# Altium PCB Spektrop2_Processor_Board_V1.PcbDoc (part 2 of 4) (continued)
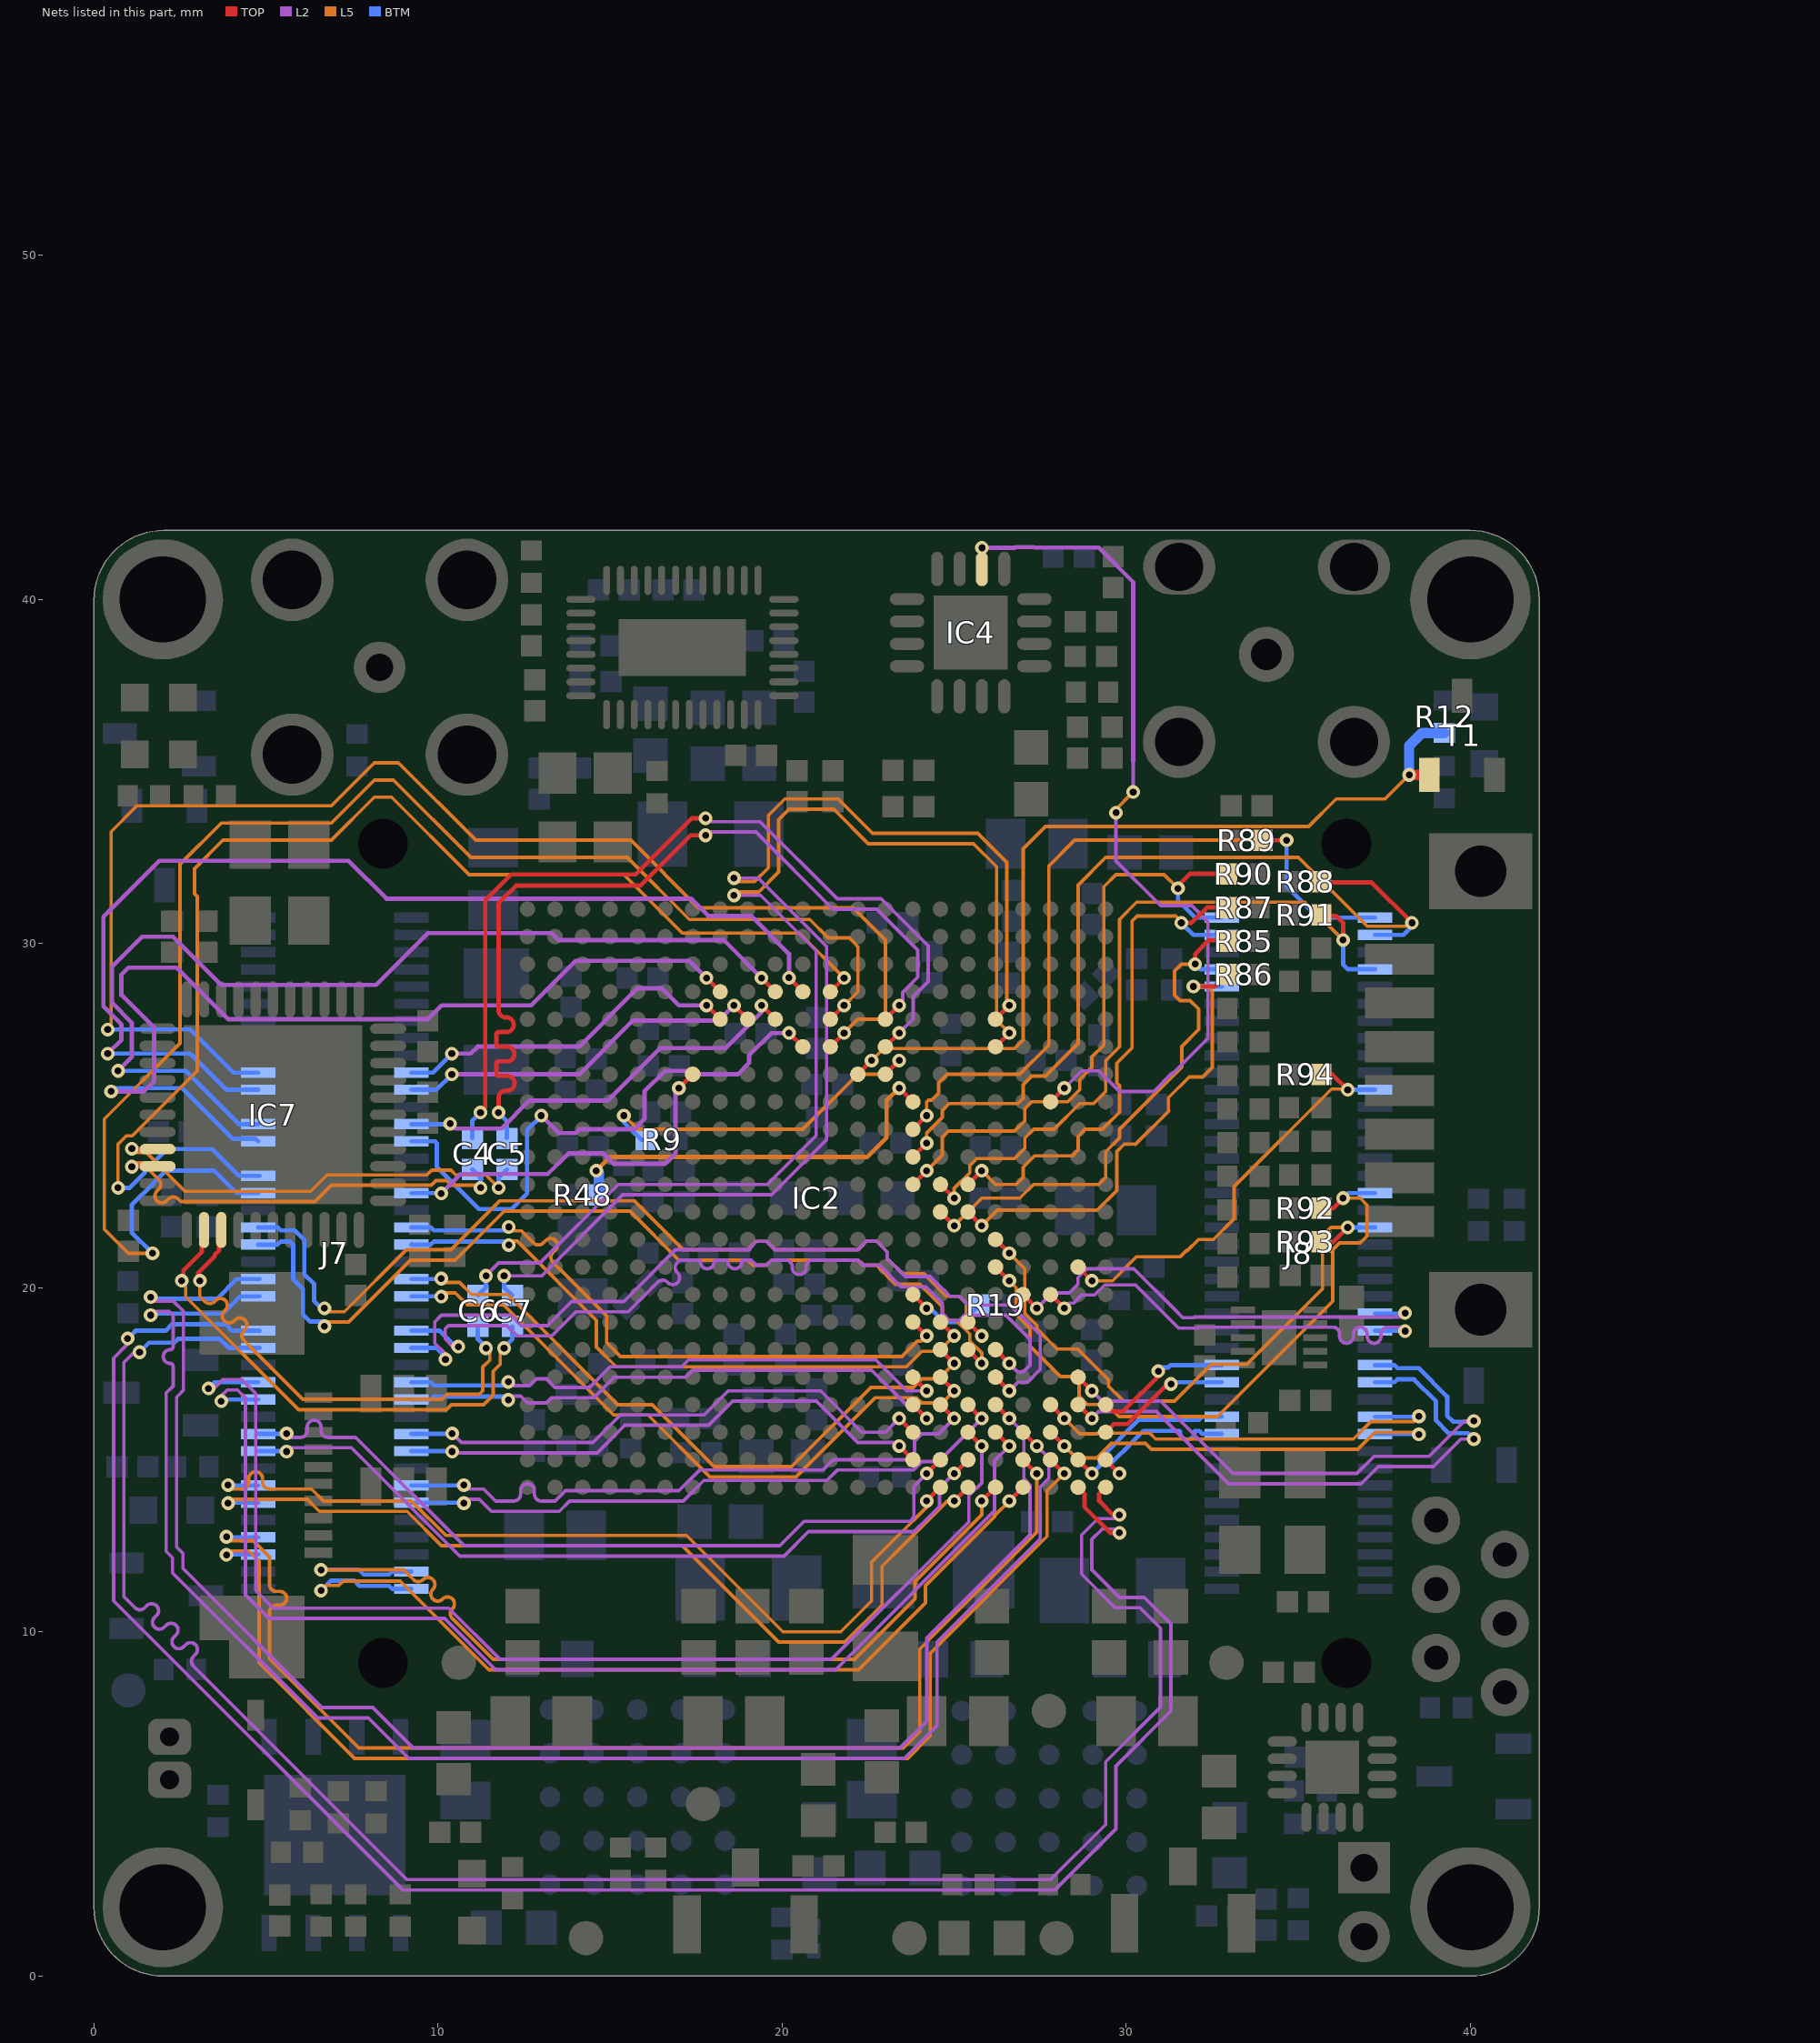
[diagram p8: the nets of this part, all layers, seen from the top]
## Part data (continued)
IC6: "12G UHD-SDI Re-timing Cable Driver", Case=QFN40, Manufacturer=SEMTECH, Author="CERN DEM JLC", Bonding=No, ComponentHeight=1mm, Component Type=Standard, CreateDate=21-Nov-17, Device=GS12281-INE3, HelpURL=\\cern.ch\dfs\Applications\Altium\Datasheets\GS12281-INE3.pdf, LatestRevisionDate=21-Nov-17, Manufacturer Part Number=GS12281-INE3, Mounted=Yes, PackageDescription="QFN, 0.40mm Pitch, Rect., Pin 1 on Short Dimension; 40 Pin, 4.00mm L X 6.00mm W X 1.00mm H Body (w/Thermal Tab 3.70 X 1.68 mm), IPC Medium Density", Part Description="12G UHD-SDI Re-timing Cable Driver", Part Number=GS12281-INE3, Pin Count=41, PressFit=No, Sense=No, SMD=Yes, Socket=No
IC9: "2-A Peak Sink / Source DDR Termination Regulator With VTTREF Buffered Reference for DDR2, DDR3 and DDR3L", Case=SON10, Manufacturer="TEXAS INSTRUMENTS", Author="CERN DEM JLC", Bonding=No, ComponentHeight=0.8mm, Component Type=Standard, CreateDate=22-Jan-15, Device=TPS51206DSQT, HelpURL=\\cern.ch\dfs\Applications\Altium\Datasheets\TPS51206DSQT.pdf, LatestRevisionDate=30-Mar-17, Manufacturer Part Number=TPS51206DSQT, Mounted=Yes, PackageDescription="SON, 0.40mm Pitch; 10 Pin, 2.00mm W X 2.00mm L X 0.80mm H Body, (w/thermal tab 1.00 X 1.60 mm), IPC Medium Density", Part Description="2A Peak Sink / Source DDR Termination Regulator With VTTREF Buffered Reference for DDR2, DDR3 and DDR3L", Part Number=TPS51206DSQT, Pin Count=11, PressFit=No, Sense=No, SMD=Yes, Socket=No, Status="Not Recommended"
J1: library part MOLEX_52030-0629, "Connector 6 Female", Manufacturer=MOLEX, Manufacturer Part Number=52030-0629, Author="CERN DEM JLC", ComponentHeight=6.7mm, Component Type=Standard, CreateDate=05-Nov-14, Family=FFC/FPC, HelpURL=\\cern.ch\dfs\Applications\Altium\Datasheets\MOLEX_52030-0629.pdf, LatestRevisionDate=05-Dec-14, Mounted=Yes, Part Description="6 Contacts, 1.0mm Pitch, Vertical Through-Hole FFC/FPC Connector", Part Number=MOLEX_52030-0629, Pin Count=6, PressFit=No, Sense=No, SMD=No, Socket=No, Status=None
J2: library part MOLEX_52745-1097, "Connector 10 Female", Manufacturer=MOLEX, Manufacturer Part Number=52745-1097, Author="CERN DEM JLC", ComponentHeight=2mm, Component Type=Standard, CreateDate=04-Nov-14, Family=FFC/FPC, HelpURL=\\cern.ch\dfs\Applications\Altium\Datasheets\MOLEX_52745-1097.pdf, LatestRevisionDate=05-Dec-14, Mounted=Yes, Part Description="10 Contacts, 0.5mm Pitch, Right Angled Surface Mount FFC/FPC Connector, ZIF, Top Contact Style", Part Number=MOLEX_52745-1097, Pin Count=10, PressFit=No, Sense=No, SMD=Yes, Socket=No, Status=None
J3: library part HARWIN_M22-2510205, "Connector 2 Male", Manufacturer=HARWIN, Manufacturer Part Number=M22-2510205, Author="CERN DEM JLC", ComponentHeight=5mm, Component Type=Standard, CreateDate=21-Jan-15, Family="Header 2", HelpURL=\\cern.ch\dfs\Applications\Altium\Datasheets\HARWIN_M22-2510205.pdf, LatestRevisionDate=14-Apr-15, Mounted=Yes, Part Description="2 Contacts - Pitch 2mm - Single Row Through Mount Straight Header (Post Lead = 3.5mm, Tail Lead 2.3mm, Insulator 1.5mm)", Part Number=HARWIN_M22-2510205, Pin Count=2, PressFit=No, Sense=No, SMD=No, Socket=No, Status=None
J4: library part AMPHENOL_282139-75, Manufacturer=AMPHENOL, Manufacturer Part Number=282139-75, Author="CERN DEM JLC", ComponentHeight=7.4mm, Component Type=Standard, CreateDate=16-Nov-17, Family=75R, HelpURL=\\cern.ch\dfs\Applications\Altium\Datasheets\AMPHENOL_282139-75.pdf, LatestRevisionDate=16-Nov-17, Mounted=Yes, Part Description="75 Ohm 1.0/2.3 Right Angle Through Hole PCB Jack", Part Number=AMPHENOL_282139-75, Pin Count=2, PressFit=No, Sense=No, SMD=No, Socket=No, Status=None
J5: library part MOLEX_53047-0210, "Connector 2 Male", Manufacturer=MOLEX, Manufacturer Part Number=53047-0210, Author="CERN DEM JLC", ComponentHeight=4.2mm, Component Type=Standard, CreateDate=20-Mar-13, Family=PicoBlade, HelpURL=\\cern.ch\dfs\Applications\Altium\Datasheets\MOLEX_53047-0210.pdf, LatestRevisionDate=20-Mar-13, Mounted=Yes, Part Description="1.25mm Pitch PicoBlade™ Wire-to-Board 2 Circuits Vertical Header with Friction Lock", Part Number=MOLEX_53047-0210, Pin Count=2, PressFit=No, Sense=No, SMD=No, Socket=No, Status=None
J6: library part AMPHENOL_34-1030-12G, Manufacturer=AMPHENOL-RF, Manufacturer Part Number=34-1030-12G, Author="CERN DEM JLC", ComponentHeight=8.5mm, Component Type=Standard, CreateDate=21-Feb-17, Family=HD-BNC, HelpURL=\\cern.ch\dfs\Applications\Altium\Datasheets\AMPHENOL_34-1030-12G.pdf, LatestRevisionDate=21-Feb-17, Mounted=Yes, Part Description="75 Ohms HD-BNC Right Angle PCB Receptacle (Jack)", Part Number=AMPHENOL_34-1030-12G, Pin Count=2, PressFit=No, Sense=No, SMD=No, Socket=No, Status=None
J7 J8: library part SAMTEC_ERF5-040-05.0-L-DV-K, "Connector 80 Female", Manufacturer=SAMTEC, Manufacturer Part Number=ERF5-040-05.0-L-DV-K, Author="CERN DEM MR", ComponentHeight=4.91mm, Component Type=Standard, CreateDate=10-Mar-16, Family="Socket 80", HelpURL=\\cern.ch\dfs\Applications\Altium\Datasheets\SAMTEC_ERF5-040-05.0-L-DV-K.pdf, LatestRevisionDate=10-Mar-16, Mounted=Yes, Part Description="80 Contacts, Pitch 0.5mm, Edge Rate™ Rugged High Speed Straight Socket Strip", Part Number=SAMTEC_ERF5-040-05.0-L-DV-K, Pin Count=80, PressFit=No, Sense=No, SMD=Yes, Socket=No, Status=None
J9: library part 3M_5607-4200-SH, "7 Pin + 1 Shield SATA Receptacle", Manufacturer=3M, Manufacturer Part Number=5607-4200-SH, Author="CERN DEM JLC", ComponentHeight=4mm, Component Type=Standard, CreateDate=14-Feb-11, Family=SATA, HelpURL=\\cern.ch\dfs\Applications\Altium\Datasheets\3M_5607-4200-SH.pdf, LatestRevisionDate=31-May-11, Mounted=Yes, Part Description="Signal Plug, Surfacemount, Right Angle,  Serial Advanced Technology Attachment (SATA) Connector, 5607 Series", Part Number=3M_5607-4200-SH, Pin Count=8, PressFit=No, Sense=No, SMD=Yes, Socket=No, Status=None
L1 L2 L3 L4 L5 L6 L7 L9 L10 L11 L12 L13: library part IND0603_MURATA_BLM18SG121TN1D, "Inductor", Case=0603, Manufacturer=MURATA, Manufacturer Part Number=BLM18SG121TN1D, Power=3A, Resistance=0.025R, Tolerance=±25%, Author="CERN DEM JLC", ComponentHeight=0.65mm, Component Type=Standard, HelpURL=\\cern.ch\dfs\Applications\Altium\Datasheets\IND0603_MURATA_BLM18S.pdf, Mounted=Yes, Part Description="SMD EMIFIL Suppression Chip Ferrite Bead", Part Number=IND0603_MURATA_BLM18SG121TN1D, Pin Count=2, Sense=No, SMD=Yes, Socket=No, Status=None
  L1 L2 L3: ClassName=Artix, CreateDate=23.07.2014, LatestRevisionDate=23.07.2014
  L4: CreateDate=7/23/2014, LatestRevisionDate=7/23/2014
  L5 L6 L7 L9 L10 L11 L12 L13: CreateDate=23.07.2014, LatestRevisionDate=23.07.2014
LD1 LD2 LD3 LD4 LD7: library part KINGBRIGHT_KPTR-3216CGCK, "LED Green 1A 2C", Manufacturer Part Number=KPH-1608CGCK, Package Description="SMT Green LED, Case 0603, Body L 1.6 x W 0.8mm H 0.65mm", ComponentHeight=0.65mm, HelpURL=http://datasheet.octopart.com/KPH-1608CGCK-Kingbright-datasheet-62316526.pdf
OSC1: library part OSC_33.33333MHZ_SI-TIME_SiT1602AC-23-18E, "Oscillator 4 pins 1=OE 2=GND 3=OUT 4=VDD", Manufacturer="SI TIME", Manufacturer Part Number=SiT1602AC-23-18E-33.33333, Author="CERN DEM JLC", Bonding=No, ComponentHeight=0.8mm, Component Type=Standard, CreateDate=08-Jul-14, HelpURL=\\cern.ch\dfs\Applications\Altium\Datasheets\OSC_SI-TIME_SiT1602.pdf, LatestRevisionDate=22-Oct-14, Mounted=Yes, PackageDescription="Si Time Oscillators, 4 Pin, Pitch 2.1mm, 3.2mm x 2.5mm x0.75mm", Part Description="1.8V, ±50ppm, 15pF, -20..70°C, 3.2x2.5mm Surface Mount LVCMOS/HCMOS Low Power Frequency Oscillator (SiT1602 Series)", Part Number=OSC_33.33333MHZ_SI-TIME_SiT1602AC-23-18E, Pin Count=4, PressFit=No, Sense=No, SMD=Yes, Socket=No
OSC2: library part OSC_27MHZ_EPSON_SG-210SEB, "Oscillator 4 pins 1=\ST 2=GND 3=OUT 4=VCC", Manufacturer="EPSON TOYOCOM", Manufacturer Part Number="SG-210SEB C 27MHZ", Author="CERN DEM JLC", Bonding=No, ComponentHeight=0.9mm, ComponentLink1Description="Ordering Informations", ComponentLink1URL=\\cern.ch\dfs\Applications\Altium\Datasheets\OSC_EPSON_SG-210_Ordering-Informations.pdf, Component Type=Standard, CreateDate=05-Oct-09, HelpURL=\\cern.ch\dfs\Applications\Altium\Datasheets\OSC_EPSON_SG-210.pdf, LatestRevisionDate=05-Oct-09, Mounted=Yes, PackageDescription="Oscillator, corner concave; 4 pin, 2.50mm L X 2.00mm W X 0.90mm H, IPC Medium Density", Part Description="1.8V Surface Mount Crystal Oscillator With Standby Function (SG-210 Series)", Part Number=OSC_27MHZ_EPSON_SG-210SEB, Pin Count=4, PressFit=No, Sense=No, SMD=Yes, Socket=No
PB1 PB2: library part PB_OMRON_B3U-1100P, "Push-Button Switch SPDT", Manufacturer=OMRON, Author="CERN DEM JLC", ComponentHeight=1.75mm, Component Type=Standard, CreateDate=3/16/2010, Family="Push Button", HelpURL=\\cern.ch\dfs\Applications\Altium\Datasheets\PB_OMRON_B3U-1100P.pdf, LatestRevisionDate=3/16/2010, Manufacturer Part Number=PB_OMRON_B3U-1100P, Mounted=Yes, PackageDescription="Body 1.2x3x2.5mm Ultra-Small Tactile SPST Pushbutton Switch, (with Ground Terminal), OMRON B3U Series", Part Description="3x2.5mm Ultra-Small Tactile SPST Pushbutton Switch (with Ground Terminal),Contact Rating 50mA 12VDC, B3U Series", Part Number=PB_OMRON_B3U-1100P, Pin Count=3, PressFit=No, Sense=No, SMD=Yes, Socket=No, Status=None
Q1: library part XTAL_48MHZ_TXC_7M-48.000MAHV, "Crystal 4 pins 1=XTAL Control 2=GND3=XTAL 4=GND", Manufacturer="TXC CORPORATION", Manufacturer Part Number=7M-48.000MAHV, Author="CERN DEM MR", Bonding=No, ComponentHeight=0.8mm, Component Type=Standard, CreateDate=30-May-16, HelpURL=\\cern.ch\dfs\Applications\Altium\Datasheets\XTAL_TXC_7M.pdf, LatestRevisionDate=30-May-16, Mounted=Yes, PackageDescription="4 Pins, 2.5x3.2mm, SMD Sealing Crystal, 7M Serie", Part Description="±30ppm 8pF -40°C to +85°C  4 Pins, 3.2x2.5X0.8mm, SMD Sealing Crystal, 7M Series", Part Number=XTAL_48MHZ_TXC_7M-48.000MAHV, Pin Count=4, PressFit=No, Sense=No, SMD=Yes, Socket=No
R1 R3 R8 R11 R15 R79 R80 R81 R82 R83 R84: library part R0402_4K7_1%_0.0625W_100PPM, "Resistor - 1%", Case=0402, Manufacturer=GENERIC, Manufacturer1 ComponentHeight=0.4mm, Manufacturer1 Example="YAGEO PHYCOMP", Manufacturer1 Part Number=232270674702L, Power=0.0625W, Tolerance=±1%, Author="CERN DEM JLC", Component Type=Standard, HelpURL=\\cern.ch\dfs\Applications\Altium\Datasheets\R0402_Phycomp_RC0402.pdf, Manufacturer Part Number=R0402_4K7_1%_0.0625W_100PPM, Mounted=Yes, Part Description="General Purpose Thick Film Chip Resistor", Part Number=R0402_4K7_1%_0.0625W_100PPM, Pin Count=2, PressFit=No, Sense=No, SMD=Yes, Socket=No, Status="Not Recommended", TC=±100ppm/°C
  R1 R3: CreateDate=03-Dec-07, LatestRevisionDate=17-Oct-12
  R8 R11 R15 R79 R80 R81 R82 R83 R84: CreateDate=12/3/2007, LatestRevisionDate=10/17/2012
R2 R13 R19 R48: library part R0402_100R_1%_0.0625W_100PPM, "Resistor - 1%", Case=0402, Manufacturer=GENERIC, Manufacturer1 ComponentHeight=0.4mm, Manufacturer1 Example="YAGEO PHYCOMP", Manufacturer1 Part Number=232270671001L, Power=0.0625W, Tolerance=±1%, Author="CERN DEM JLC", Component Type=Standard, CreateDate=03-Dec-07, HelpURL=\\cern.ch\dfs\Applications\Altium\Datasheets\R0402_Phycomp_RC0402.pdf, LatestRevisionDate=17-Oct-12, Manufacturer Part Number=R0402_100R_1%_0.0625W_100PPM, Mounted=Yes, Part Description="General Purpose Thick Film Chip Resistor", Part Number=R0402_100R_1%_0.0625W_100PPM, Pin Count=2, PressFit=No, Sense=No, SMD=Yes, Socket=No, Status="Not Recommended", TC=±100ppm/°C
R5 R14 R67: library part R0402_22R_1%_0.0625W_100PPM, "Resistor - 1%", Case=0402, Manufacturer=GENERIC, Manufacturer1 ComponentHeight=0.4mm, Manufacturer1 Example="YAGEO PHYCOMP", Manufacturer1 Part Number=232270672209L, Power=0.0625W, Tolerance=±1%, Author="CERN DEM JLC", Component Type=Standard, HelpURL=\\cern.ch\dfs\Applications\Altium\Datasheets\R0402_Phycomp_RC0402.pdf, Manufacturer Part Number=R0402_22R_1%_0.0625W_100PPM, Mounted=Yes, Part Description="General Purpose Thick Film Chip Resistor", Part Number=R0402_22R_1%_0.0625W_100PPM, Pin Count=2, PressFit=No, Sense=No, SMD=Yes, Socket=No, Status="Not Recommended", TC=±100ppm/°C
  R5 R14: CreateDate=12/3/2007, LatestRevisionDate=10/17/2012
  R67: CreateDate=03-Dec-07, LatestRevisionDate=17-Oct-12
R9: library part R0402_0R_JUMPER, "Resistor", Case=0402, Manufacturer=GENERIC, Manufacturer1 ComponentHeight=0.4mm, Manufacturer1 Example="YAGEO PHYCOMP", Manufacturer1 Part Number=232270591001L, Author="CERN DEM JLC", Component Type=Standard, CreateDate=03-Dec-07, HelpURL=\\cern.ch\dfs\Applications\Altium\Datasheets\R0402_Phycomp_RC0402.pdf, LatestRevisionDate=17-Oct-12, Manufacturer Part Number=R0402_0R_JUMPER, Mounted=Yes, Part Description="1A (0.05R Max DC Resistance) Zero Ohm Jumper", Part Number=R0402_0R_JUMPER, Pin Count=2, PressFit=No, Sense=No, SMD=Yes, Socket=No, Status="Not Recommended"
R10 R22 R58 R62: library part R0402_1k_1%_0.0625W_100PPM, "Resistor - 1%", Case=0402, Manufacturer=GENERIC, Manufacturer1 ComponentHeight=0.4mm, Manufacturer1 Example="YAGEO PHYCOMP", Manufacturer1 Part Number=232270671002L, Manufacturer Part Number=R0402_1K_1%_0.0625W_100PPM, Power=0.0625W, Tolerance=±1%, Author="CERN DEM JLC", Component Type=Standard, CreateDate=03.12.2007, HelpURL=\\cern.ch\dfs\Applications\Altium\Datasheets\R0402_Phycomp_RC0402.pdf, LatestRevisionDate=17.10.2012, Mounted=Yes, Part Description="General Purpose Thick Film Chip Resistor", Part Number=R0402_1K_1%_0.0625W_100PPM, Pin Count=2, PressFit=No, Sense=No, SMD=Yes, Socket=No, Status="Not Recommended", TC=±100ppm/°C
  R10: ClassName=Artix
R12: library part R0402_3K_1%_0.0625W_100PPM, "Resistor - 1%", Case=0402, Manufacturer=GENERIC, Manufacturer1 ComponentHeight=0.4mm, Manufacturer1 Example="YAGEO PHYCOMP", Manufacturer1 Part Number=232270673002L, Power=0.0625W, Tolerance=±1%, Author="CERN DEM JLC", Component Type=Standard, CreateDate=03-Dec-07, HelpURL=\\cern.ch\dfs\Applications\Altium\Datasheets\R0402_Phycomp_RC0402.pdf, LatestRevisionDate=17-Oct-12, Manufacturer Part Number=R0402_3K_1%_0.0625W_100PPM, Mounted=Yes, Part Description="General Purpose Thick Film Chip Resistor", Part Number=R0402_3K_1%_0.0625W_100PPM, Pin Count=2, PressFit=No, Sense=No, SMD=Yes, Socket=No, Status="Not Recommended", TC=±100ppm/°C
R16 R17 R18 R20 R21 R25 R26: library part R0402_20K_1%_0.0625W_100PPM, "Resistor - 1%", Case=0402, Manufacturer=GENERIC, Manufacturer1 ComponentHeight=0.4mm, Manufacturer1 Example="YAGEO PHYCOMP", Manufacturer1 Part Number=232270672003L, Power=0.0625W, Tolerance=±1%, Author="CERN DEM JLC", Component Type=Standard, CreateDate=12/3/2007, HelpURL=\\cern.ch\dfs\Applications\Altium\Datasheets\R0402_Phycomp_RC0402.pdf, LatestRevisionDate=10/17/2012, Manufacturer Part Number=R0402_20K_1%_0.0625W_100PPM, Mounted=Yes, Part Description="General Purpose Thick Film Chip Resistor", Part Number=R0402_20K_1%_0.0625W_100PPM, Pin Count=2, PressFit=No, Sense=No, SMD=Yes, Socket=No, Status="Not Recommended", TC=±100ppm/°C
R23 R34 R38 R39 R41: library part R0402_10K_1%_0.0625W_100PPM, "Resistor - 1%", Case=0402, Manufacturer=GENERIC, Manufacturer1 ComponentHeight=0.4mm, Manufacturer1 Example="YAGEO PHYCOMP", Manufacturer1 Part Number=232270671003L, Power=0.0625W, Tolerance=±1%, Author="CERN DEM JLC", Component Type=Standard, HelpURL=\\cern.ch\dfs\Applications\Altium\Datasheets\R0402_Phycomp_RC0402.pdf, Manufacturer Part Number=R0402_10K_1%_0.0625W_100PPM, Mounted=Yes, Part Description="General Purpose Thick Film Chip Resistor", Part Number=R0402_10K_1%_0.0625W_100PPM, Pin Count=2, PressFit=No, Sense=No, SMD=Yes, Socket=No, Status="Not Recommended", TC=±100ppm/°C
  R23: CreateDate=12/3/2007, LatestRevisionDate=10/17/2012
  R34 R38 R39 R41: CreateDate=03-Dec-07, LatestRevisionDate=17-Oct-12
R24: library part R0402_100K_1%_0.0625W_100PPM, "Resistor - 1%", Case=0402, Manufacturer=GENERIC, Manufacturer1 ComponentHeight=0.4mm, Manufacturer1 Example="YAGEO PHYCOMP", Manufacturer1 Part Number=232270671004L, Power=0.0625W, Tolerance=±1%, Author="CERN DEM JLC", Component Type=Standard, CreateDate=12/3/2007, HelpURL=\\cern.ch\dfs\Applications\Altium\Datasheets\R0402_Phycomp_RC0402.pdf, LatestRevisionDate=10/17/2012, Manufacturer Part Number=R0402_100K_1%_0.0625W_100PPM, Mounted=Yes, Part Description="General Purpose Thick Film Chip Resistor", Part Number=R0402_100K_1%_0.0625W_100PPM, Pin Count=2, PressFit=No, Sense=No, SMD=Yes, Socket=No, Status="Not Recommended", TC=±100ppm/°C
R27 R78: library part R0402_1K_1%_0.0625W_100PPM, "Resistor - 1%", Case=0402, Manufacturer=GENERIC, Manufacturer1 ComponentHeight=0.4mm, Manufacturer1 Example="YAGEO PHYCOMP", Manufacturer1 Part Number=232270671002L, Power=0.0625W, Tolerance=±1%, Author="CERN DEM JLC", Component Type=Standard, CreateDate=03-Dec-07, HelpURL=\\cern.ch\dfs\Applications\Altium\Datasheets\R0402_Phycomp_RC0402.pdf, LatestRevisionDate=17-Oct-12, Manufacturer Part Number=R0402_1K_1%_0.0625W_100PPM, Mounted=Yes, Part Description="General Purpose Thick Film Chip Resistor", Part Number=R0402_1K_1%_0.0625W_100PPM, Pin Count=2, PressFit=No, Sense=No, SMD=Yes, Socket=No, Status="Not Recommended", TC=±100ppm/°C
R28 R29 R77: library part R0402_NO-VALUE, "Resistor", Case=0402, Author="CERN DEM JLC", Component Type=Standard, CreateDate=03-Dec-07, HelpURL=Undefined, LatestRevisionDate=13-Mar-08, Manufacturer=Undefined, Manufacturer1 ComponentHeight=Undefined, Manufacturer1 Example=Undefined, Manufacturer1 Part Number=Undefined, Manufacturer Part Number=R0402_NO-VALUE, Mounted=No, Part Description="Reserved Footprint For a 0402 (1005) Chip Resistor", Part Number=R0402_NO-VALUE, Pin Count=2, PressFit=No, Sense=No, SMD=Yes, Socket=No, Status=None
R30: library part R0402_22r_1%_0.0625W_100PPM, "Resistor - 1%", Case=0402, Manufacturer=GENERIC, Manufacturer1 ComponentHeight=0.4mm, Manufacturer1 Example="YAGEO PHYCOMP", Manufacturer1 Part Number=232270672209L, Manufacturer Part Number=R0402_22R_1%_0.0625W_100PPM, Power=0.0625W, Tolerance=±1%, Author="CERN DEM JLC", Component Type=Standard, CreateDate=03-Dec-07, HelpURL=\\cern.ch\dfs\Applications\Altium\Datasheets\R0402_Phycomp_RC0402.pdf, LatestRevisionDate=17-Oct-12, Mounted=Yes, Part Description="General Purpose Thick Film Chip Resistor", Part Number=R0402_22R_1%_0.0625W_100PPM, Pin Count=2, PressFit=No, Sense=No, SMD=Yes, Socket=No, Status="Not Recommended", TC=±100ppm/°C
R31 R66: library part R0402_75R_1%_0.0625W_100PPM, "Resistor - 1%", Case=0402, Manufacturer=GENERIC, Manufacturer1 ComponentHeight=0.4mm, Manufacturer1 Example="YAGEO PHYCOMP", Manufacturer1 Part Number=232270677509L, Power=0.0625W, Tolerance=±1%, Author="CERN DEM JLC", Component Type=Standard, HelpURL=\\cern.ch\dfs\Applications\Altium\Datasheets\R0402_Phycomp_RC0402.pdf, Manufacturer Part Number=R0402_75R_1%_0.0625W_100PPM, Mounted=Yes, Part Description="General Purpose Thick Film Chip Resistor", Part Number=R0402_75R_1%_0.0625W_100PPM, Pin Count=2, PressFit=No, Sense=No, SMD=Yes, Socket=No, Status="Not Recommended", TC=±100ppm/°C
  R31: CreateDate=12/3/2007, LatestRevisionDate=10/17/2012
  R66: CreateDate=03-Dec-07, LatestRevisionDate=17-Oct-12
R32: library part R0603_60K4_0.1%_0.063W_10PPM, "Resistor - 0.1%", Case=0603, Manufacturer=GENERIC, Manufacturer1 ComponentHeight=0.5mm, Manufacturer1 Example="TYCO HOLSWORTHY", Manufacturer1 Part Number=RN73C1J60K4BTDF, Power=0.063W, Tolerance=±0.1%, Author="CERN DEM JLC", Component Type=Standard, CreateDate=03-Dec-07, HelpURL=\\cern.ch\dfs\Applications\Altium\Datasheets\R0603_Tyco_RN73.pdf, LatestRevisionDate=13-Mar-08, Manufacturer Part Number=R0603_60K4_0.1%_0.063W_10PPM, Mounted=Yes, Part Description="Thin Film Chip Resistor", Part Number=R0603_60K4_0.1%_0.063W_10PPM, Pin Count=2, PressFit=No, Sense=No, SMD=Yes, Socket=No, Status="Not Recommended", TC=±10ppm
R33: library part R0603_90K9_0.1%_0.063W_10PPM, "Resistor - 0.1%", Case=0603, Manufacturer=GENERIC, Manufacturer1 ComponentHeight=0.5mm, Manufacturer1 Example="TYCO HOLSWORTHY", Manufacturer1 Part Number=RN73C1J90K9BTDF, Power=0.063W, Tolerance=±0.1%, Author="CERN DEM JLC", Component Type=Standard, CreateDate=03-Dec-07, HelpURL=\\cern.ch\dfs\Applications\Altium\Datasheets\R0603_Tyco_RN73.pdf, LatestRevisionDate=13-Mar-08, Manufacturer Part Number=R0603_90K9_0.1%_0.063W_10PPM, Mounted=Yes, Part Description="Thin Film Chip Resistor", Part Number=R0603_90K9_0.1%_0.063W_10PPM, Pin Count=2, PressFit=No, Sense=No, SMD=Yes, Socket=No, Status="Not Recommended", TC=±10ppm
R36: library part R0603_30K1_0.1%_0.063W_10PPM, "Resistor - 0.1%", Case=0603, Manufacturer=GENERIC, Manufacturer1 ComponentHeight=0.5mm, Manufacturer1 Example="TYCO HOLSWORTHY", Manufacturer1 Part Number=RN73C1J30K1BTDF, Power=0.063W, Tolerance=±0.1%, Author="CERN DEM JLC", Component Type=Standard, CreateDate=03-Dec-07, HelpURL=\\cern.ch\dfs\Applications\Altium\Datasheets\R0603_Tyco_RN73.pdf, LatestRevisionDate=13-Mar-08, Manufacturer Part Number=R0603_30K1_0.1%_0.063W_10PPM, Mounted=Yes, Part Description="Thin Film Chip Resistor", Part Number=R0603_30K1_0.1%_0.063W_10PPM, Pin Count=2, PressFit=No, Sense=No, SMD=Yes, Socket=No, Status="Not Recommended", TC=±10ppm
R37: library part R0603_13K3_0.1%_0.063W_10PPM, "Resistor - 0.1%", Case=0603, Manufacturer=GENERIC, Manufacturer1 ComponentHeight=0.5mm, Manufacturer1 Example="TYCO HOLSWORTHY", Manufacturer1 Part Number=RN73C1J13K3BTDF, Power=0.063W, Tolerance=±0.1%, Author="CERN DEM JLC", Component Type=Standard, CreateDate=03-Dec-07, HelpURL=\\cern.ch\dfs\Applications\Altium\Datasheets\R0603_Tyco_RN73.pdf, LatestRevisionDate=13-Mar-08, Manufacturer Part Number=R0603_13K3_0.1%_0.063W_10PPM, Mounted=Yes, Part Description="Thin Film Chip Resistor", Part Number=R0603_13K3_0.1%_0.063W_10PPM, Pin Count=2, PressFit=No, Sense=No, SMD=Yes, Socket=No, Status="Not Recommended", TC=±10ppm
R40: library part R0603_324K_1%_0.1W_100PPM, "Resistor - 1%", Case=0603, Manufacturer=GENERIC, Manufacturer1 ComponentHeight=0.55mm, Manufacturer1 Example=VISHAY, Manufacturer1 Part Number=CRCW0603324KFKEA, Power=0.1W, Tolerance=±1%, Author="CERN DEM JLC", Component Type=Standard, CreateDate=29-Apr-10, HelpURL="\\cern.ch\dfs\Applications\Altium\Datasheets\R0603_VISHAY_CRCW e3.pdf", LatestRevisionDate=11-Dec-13, Manufacturer Part Number=R0603_324K_1%_0.1W_100PPM, Mounted=Yes, Part Description="General Purpose Thick Film Chip Resistor", Part Number=R0603_324K_1%_0.1W_100PPM, Pin Count=2, PressFit=No, Sense=No, SMD=Yes, Socket=No, Status=Preferred, TC=±100ppm/°C
R60: library part R0402_10k_1%_0.0625W_100PPM, "Resistor - 1%", Case=0402, Manufacturer=GENERIC, Manufacturer1 ComponentHeight=0.4mm, Manufacturer1 Example="YAGEO PHYCOMP", Manufacturer1 Part Number=232270671003L, Manufacturer Part Number=R0402_10K_1%_0.0625W_100PPM, Power=0.0625W, Tolerance=±1%, Author="CERN DEM JLC", Component Type=Standard, CreateDate=03.12.2007, HelpURL=\\cern.ch\dfs\Applications\Altium\Datasheets\R0402_Phycomp_RC0402.pdf, LatestRevisionDate=17.10.2012, Mounted=Yes, Part Description="General Purpose Thick Film Chip Resistor", Part Number=R0402_10K_1%_0.0625W_100PPM, Pin Count=2, PressFit=No, Sense=No, SMD=Yes, Socket=No, Status="Not Recommended", TC=±100ppm/°C
R85 R86 R87 R88 R89 R90 R91 R92 R93 R94 R95 R96 R97 R98 R99 R100 R101 R102 R103 R104 R105 R106 R107 R108 R109 R110: library part R0402_49R9_1%_0.0625W_100PPM, "Resistor - 1%", Case=0402, Manufacturer=GENERIC, Manufacturer1 ComponentHeight=0.4mm, Manufacturer1 Example="YAGEO PHYCOMP", Manufacturer1 Part Number="232270674999L or RC0402FR-0749R9L", Power=0.0625W, Tolerance=±1%, Author="CERN DEM JLC", Component Type=Standard, CreateDate=24-Oct-12, HelpURL=\\cern.ch\dfs\Applications\Altium\Datasheets\R0402_Phycomp_RC0402.pdf, LatestRevisionDate=24-Oct-12, Manufacturer Part Number=R0402_49R9_1%_0.0625W_100PPM, Mounted=Yes, Part Description="General Purpose Thick Film Chip Resistor", Part Number=R0402_49R9_1%_0.0625W_100PPM, Pin Count=2, PressFit=No, Sense=No, SMD=Yes, Socket=No, Status="Not Recommended", TC=±100ppm/°C
T1 T2 T4 T5: "N-CHANNEL MOSFET WITH DIODE", Case=SOT23-3, Manufacturer=NEXPERIA, Author="CERN DEM JLC", Bonding=No, ComponentHeight=1.1mm, Component Type=Standard, CreateDate=16.03.2010, Device=BSH103, HelpURL=\\cern.ch\dfs\Applications\Altium\Datasheets\BSH103.pdf, LatestRevisionDate=20.06.2017, Manufacturer Part Number=BSH103, Mounted=Yes, PackageDescription="SOT23, 3 pin, Pitch 0.95mm - 1.3mm W X 2.9mm L X 1.1mm H, IPC Medium Density", Part Description="30V 850mA N-Channel Enhancement Mode Field-Effect Transistor", Part Number=BSH103, Pin Count=3, PressFit=No, Sense=No, SMD=Yes, Socket=No
  T1: ClassName=Artix
TP1 TP2 TP3 TP4 TP5 TP6 TP7 TP8: library part SMD_PAD_D1MM, "Through Hole Pad", Author="CERN DEM JLC", ComponentHeight=0mm, Component Type="Standard (No BOM)", CreateDate=10-Oct-17, Family="SMD Pad", HelpURL=Undefined, LatestRevisionDate=10-Oct-17, Mounted=No, PackageDescription="1mm Diameter SMD Pad", Part Description="1mm Diameter SMD Pad", Part Number=SMD_PAD_D1MM, Pin Count=1, Sense=No, SMD=No, Socket=No, Status=None

## Free pads (board coordinates)
  round 3.5 hole 2.5: 1(2,2) 1(2,40) 1(40,2) 1(40,40)

## Via types
v1: diameter 0.4, hole 0.2, TOP to BTM, tented both sides, 678 vias

## Nets (pads, with @x,y where several pads share a name; then routed paths per layer and width w, separated by ;. In a path a pad name is that pad's centre, name@x,y a point inside that pad or via, vN(x,y) a via of type N, cw(c..) or ccw(c..) an arc to the next point about the centre after c; other vN are vias at no path point)
BANK34_VRN: IC2.H8 R19.1 | length 2.5
  TOP w0.125: IC2.H8@23.798,19.799 v1(24.198,19.399)
  BTM w0.125: v1(24.198,19.399) 24.301,19.399 24.7,19 25.23,19 R19.1@25.73,19.5
BANK34_VRP: IC2.R8 R48.2 | length 11.6
  TOP w0.125: v1(23.399,25.8) IC2.R8@23.799,25.4
  L5 w0.125: v1(14.598,23.399) 14.999,23.8 22.473,23.8 23.037,24.363 23.037,25.437 v1(23.399,25.8)
  BTM w0.3: v1(14.598,23.399) 14.67,23.327 R48.2@14.67,22.8
CFGBVS: IC2.T9 R9.2 | length 10.7
  TOP w0.125: IC2.T9@22.999,26.2 v1(23.399,26.6)
  L5 w0.1: v1(15.399,25) 15.799,24.6 20.6,24.6 22.2,26.2 23,26.2 v1(23.399,26.6)
  BTM w0.125: v1(15.399,25) 15.399,24.801 15.9,24.3 R9.2@16.03,24.3 R9.2@16.13,24.3
CLK_MGT0_C_N: C5.2 IC2.V9 | length 25.9
  TOP w0.125: v1(11.758,25.089) 11.758,25.302 11.758,25.514 cw(c11.97,25.514) 11.97,25.727 12.013,25.727 ccw(c12.013,25.939) 12.225,25.939 ccw(c12.013,25.939) 12.013,26.152 11.758,26.152 cw(c11.758,26.214) 11.695,26.214 11.695,26.514 cw(c11.758,26.514) 11.758,26.577 12.005,26.577 ccw(c12.005,26.789) 12.217,26.789 ccw(c12.005,26.789) 12.005,27.002 11.758,27.002 cw(c11.758,27.064) 11.695,27.064 11.695,27.364 cw(c11.758,27.364) 11.758,27.427 11.989,27.427 ccw(c11.989,27.639) 12.201,27.639 ccw(c11.989,27.639) 11.989,27.852 11.97,27.852 cw(c11.97,28.064) 11.758,28.064 11.758,28.5 11.758,31.177 12.263,31.682 15.877,31.682 17.336,33.141 v1(17.775,33.141) ; IC2.V9@22.999,27.8 v1(23.399,28.2)
  L2 w0.1: v1(17.775,33.141) 17.875,33.241 19.235,33.241 21.477,30.998 22.751,30.998 23.942,29.808 23.942,29.021 23.504,28.583 23.504,28.304 v1(23.399,28.2)
  BTM w0.125: v1(11.758,25.089) 11.997,24.85 C5.2@11.997,24.351
CLK_MGT0_C_P: C4.2 IC2.U9 | length 25.9
  TOP w0.125: v1(11.233,25.089) 11.37,25.227 11.37,31.249 12.128,32.007 15.743,32.007 17.376,33.641 v1(17.775,33.641) ; IC2.U9@22.999,27 v1(23.399,27.4)
  L2 w0.1: v1(17.775,33.641) 17.875,33.541 19.359,33.541 21.602,31.298 22.875,31.298 24.242,29.932 24.242,28.896 23.804,28.458 23.804,27.804 v1(23.399,27.4)
  BTM w0.125: C4.2@10.993,24.351 10.993,24.85 v1(11.233,25.089)
CLK_MGT0_N: C5.1 IC7.19 | length 13
  TOP w0.125: v1(1.1,24.037) 1.113,24.025 IC7.19@1.85,24.025
  L5 w0.1: v1(1.1,24.037) 1.213,23.925 1.524,23.925 2.649,22.8 6.3,22.8 6.775,23.275 9.677,23.275 9.815,23.413 10.374,23.413 10.511,23.275 11.39,23.275 11.61,23.055 11.61,23.05 v1(11.76,22.9)
  BTM w0.125: v1(11.76,22.9) 11.76,23.196 C5.1@12,23.436
CLK_MGT0_P: C4.1 IC7.20 | length 13.2
  TOP w0.125: v1(1.1,23.512) 1.113,23.525 IC7.20@1.85,23.525
  L2 w0.1: v1(1.1,23.512) v1@1.213,23.625
  L5 w0.1: v1(1.1,23.512) 1.213,23.625 1.4,23.625 1.6,23.425 1.741,23.284 1.883,23.142 cw(c1.741,23.001) 1.883,22.859 1.83,22.806 ccw(c1.971,22.665) 1.83,22.523 ccw(c1.971,22.665) 2.113,22.523 2.166,22.576 cw(c2.307,22.435) 2.449,22.576 2.512,22.513 2.525,22.5 6.424,22.5 6.899,22.975 9.801,22.975 9.939,23.113 10.249,23.113 10.387,22.975 11.235,22.975 11.261,22.975 11.285,22.95 v1(11.235,22.9)
  BTM w0.125: C4.1@10.995,23.436 11.235,23.196 v1(11.235,22.9)
CLK_MGT1_C_N: C7.2 IC2.V5 | length 36.2
  TOP w0.125: IC2.V5@26.199,27.8 v1(26.599,28.2)
  L2 w0.1: v1(11.918,20.345) 13.012,20.345 15.367,22.7 19.692,22.7 21.289,24.297 21.289,29.911 19.3,31.9 v1(18.6,31.9)
  L5 w0.1: v1(18.6,31.9) 18.7,31.8 19.2,31.8 19.6,32.2 19.6,33.724 20.076,34.2 21.624,34.2 22.624,33.2 25.683,33.2 26.529,32.354 26.529,28.27 v1(26.599,28.2)